# Altium PCB PCB1.PcbDoc (continued)
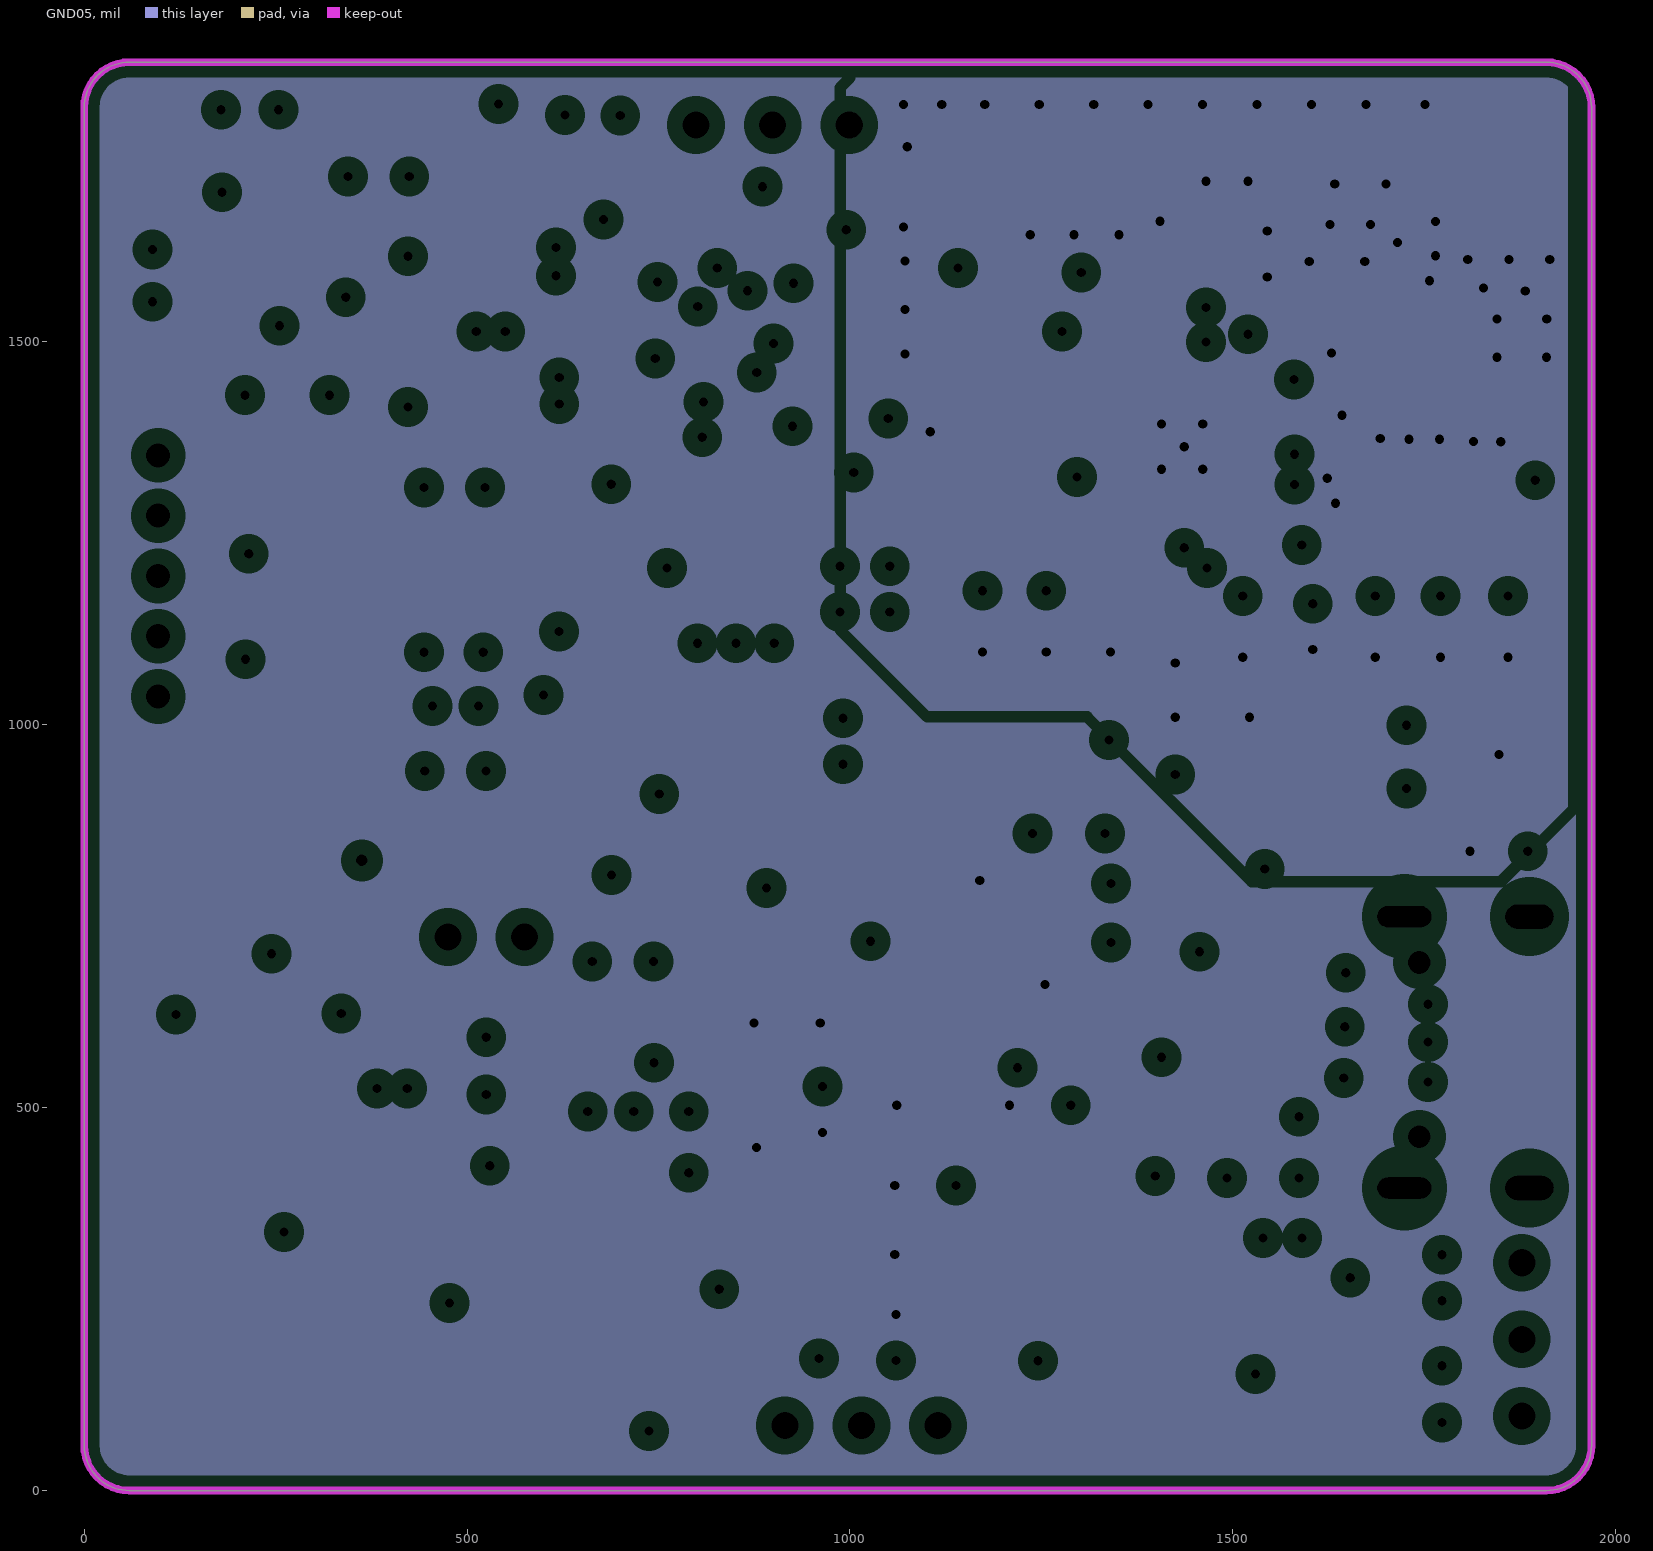
[diagram p5: GND05, clearances drawn from the general rule]
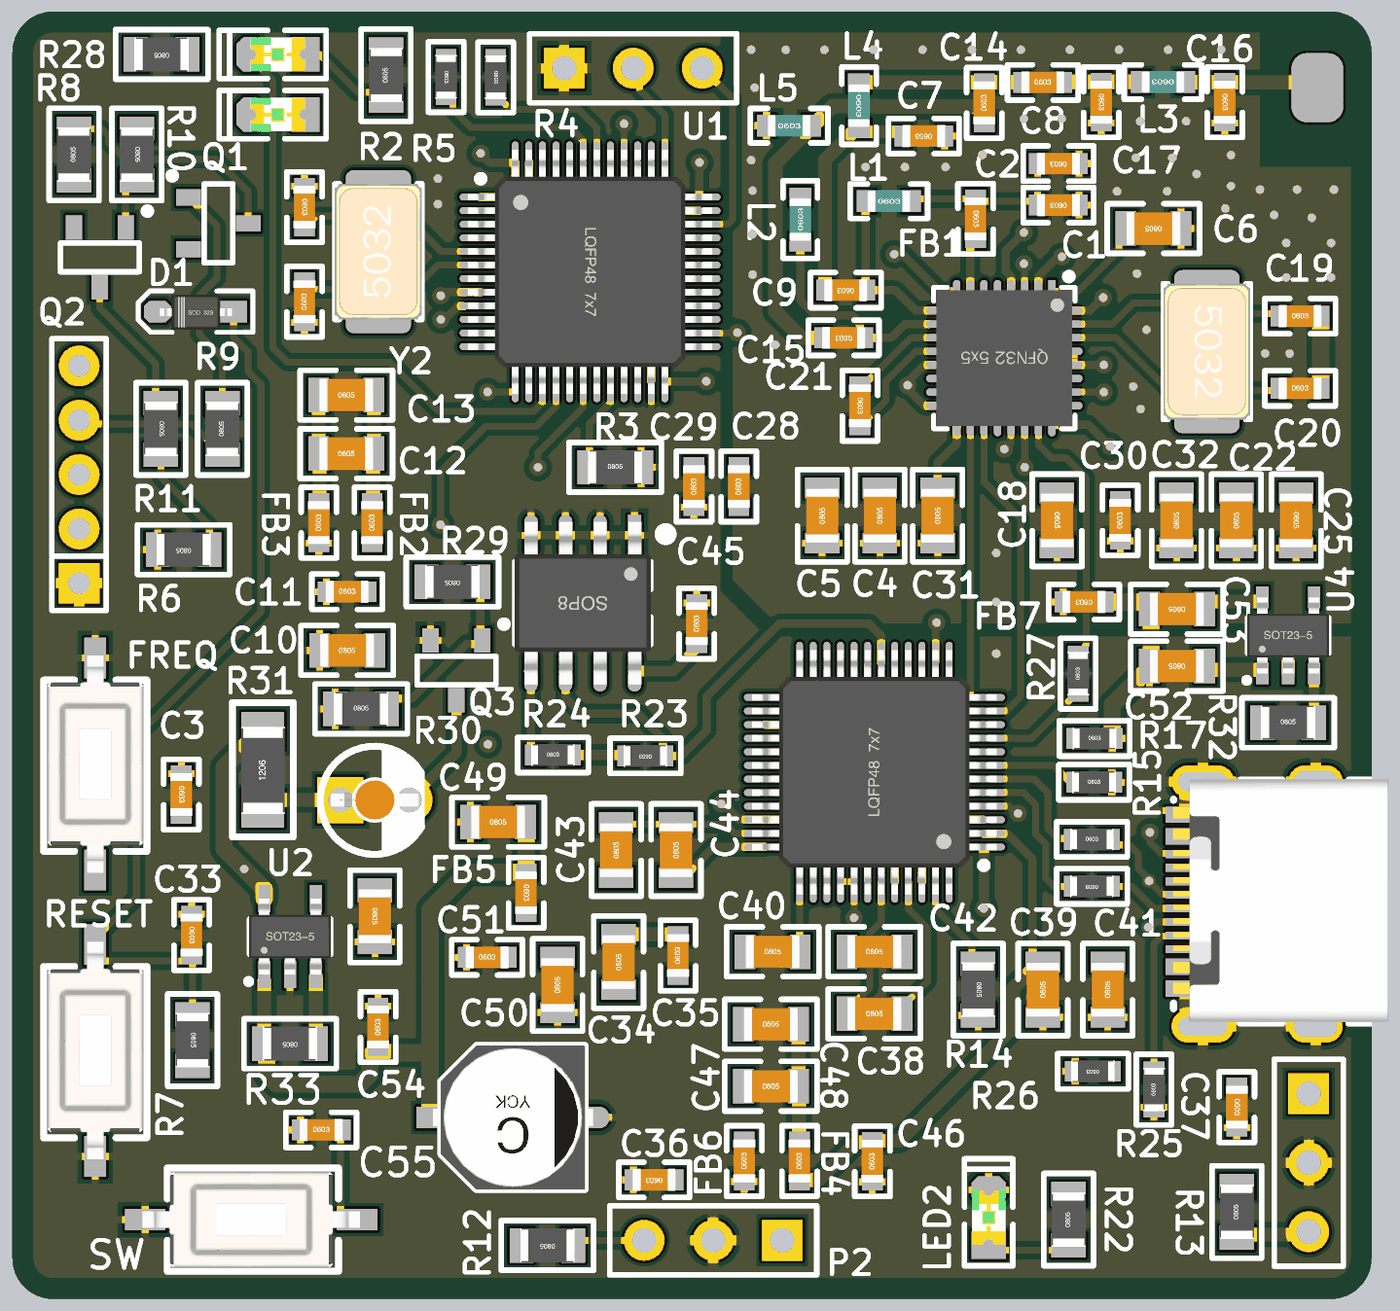
[diagram p6: 3D render of the assembled board from above, using the file's embedded part models]

## Layer stack, top to bottom
Top Solder: solder mask 0.4, Solder Resist, Dk 3.5
Top Layer: signal copper 1.4
Dielectric 2: prepreg 3.8, PP-013, Dk 4.3
GND02: plane copper 0.7087, net GND
Dielectric 4: core 21, Core-037, Dk 4.8
SIG03: signal copper 0.7087
Dielectric 1: prepreg 4.2, PP-014, Dk 4.2
PWR04: plane copper 0.7087, net (Multiple Nets)
Dielectric 3: core 21, Core-037, Dk 4.8
GND05: plane copper 0.7087, net (Multiple Nets)
Dielectric 5: prepreg 3.8, PP-013, Dk 4.3
Bottom Layer: signal copper 1.4
Bottom Solder: solder mask 0.4, Solder Resist, Dk 3.5

## Board outline
0,59.06 0,1806.34 cw(c59.06,1806.34) 59.06,1865.39 1909.45,1865.39 cw(c1909.45,1806.34) 1968.5,1806.34 1968.5,59.06 cw(c1909.45,59.06) 1909.45,0 59.06,0 cw(c59.06,59.06)

## Design rules (kind name [scope] priority, off if disabled: settings)
Clearance Clearance_1 [OnLayer('Keep-Out Layer') vs InPolygon] p1: gap=25 ignorepadtopadclearanceinfootprint=FALSE
Clearance [All] p2: gap=8 ignorepadtopadclearanceinfootprint=TRUE
PlaneClearance [All] p1: clearance=20
PlaneConnect [All] p1: pad.planeconnectstyle=Relief pad.reliefexpansion=20 pad.reliefentries=4 pad.reliefconductorwidth=15 pad.reliefairgap=10 via.planeconnectstyle=Direct via.reliefexpansion=20 via.reliefentries=4 via.reliefconductorwidth=10 via.reliefairgap=10
PolygonConnect [All] p1: thpad.connectstyle=Relief thpad.reliefconductorwidth=15 thpad.reliefentries=4 thpad.polygonreliefangle="90 Angle" thpad.airgapwidth=10 smdpad.connectstyle=Relief smdpad.reliefconductorwidth=10 smdpad.reliefentries=4 smdpad.polygonreliefangle="90 Angle" smdpad.airgapwidth=10 via.connectstyle=Direct via.reliefconductorwidth=10 via.reliefentries=4 via.polygonreliefangle="90 Angle" via.airgapwidth=10
RoutingVias [All] p1: holewidth=12 width=25 viastyle="Through Hole" minholewidth=12 minwidth=20 maxholewidth=25 maxwidth=35
SilkToSilkClearance [All] p1: silktosilkclearance=2
SilkToSolderMaskClearance [IsPad] p1: minsilkscreentomaskgap=2 clearancetoexposedcopper=TRUE
SolderMaskExpansion [All] p1: expansion=4 istentingtop=FALSE
Width PWR [InNetClass('PWR')] p1: maxlimit=50 minlimit=10 preferedwidth=20 toplayer_prefwidth=15 midlayer1_minwidth=15 bottomlayer_prefwidth=15 minimp=50.000000 maximp=50.000000 favimp=50.000000
Width [All] p2: maxlimit=30 minlimit=8 preferedwidth=15 toplayer_prefwidth=10 midlayer1_minwidth=12 bottomlayer_prefwidth=10 minimp=50.000000 maximp=50.000000 favimp=50.000000
26 further rules are at their usual default settings.

## Classes and differential pairs
net class PWR: 3V3 +3.3V +3.3VA GND GNDA GNDRF RF3V3 USB_5V VBUS VDDA VSSA

## Components (designator, comment, footprint, x,y, rotation, side; value= is the part's Value field where it differs from the comment)
ANT1 "" ANT 1874.19,1725.61 r90 top
BK1 "BK9535" "QFN32 5X5_N" 1436.65,1363.21 r180 top
C1 "Cap" "C 0603_L" 1515,1585 r180 top value=100pF
C2 "Cap" "C 0603_L" 1515,1645 r180 top value=1μF
C3 "Cap" "C 0603_L" 244.65,730.96 r270 top value=0.1μF
C4 "Cap" "C 0805_L"#1 1256.37,1135 r90 top value=1nF
C5 "Cap" "C 0805_L"#1 1173,1135 r90 top value=4.7μF
C6 "Cap" "C 0805_L"#1 1652.6,1550.95 r180 top value=4.7μF
C7 "Cap" "C 0603_L" 1320,1685 r180 top value=1.8pF
C8 "Cap" "C 0603_L" 1492.41,1762.64 r0 top value=100pF
C9 "Cap" "C 0603_L" 1207,1461.67 r180 top value=100pF
C10 "Cap" "C 0805_L"#1 484.88,939.74 r0 top value=10μF
C11 "Cap" "C 0603_L" 484.88,1024.74 r0 top value=0.1μF
C12 "Cap" "C 0805_L"#1 483.66,1224.74 r0 top value=1μF
C13 "Cap" "C 0805_L"#1 483.66,1309.74 r0 top value=10nF
C14 "Cap" "C 0603_L" 1407.62,1733 r90 top value=1.8pF
C15 "Cap" "C 0603_L" 1204,1392.74 r180 top value=100pF
C16 "Cap" "C 0603_L" 1755.88,1734 r270 top value=10pF
C17 "Cap" "C 0603_L" 1577,1734 r270 top value=10pF
C18 "Cap" "C 0805_L"#1 1513,1128.21 r270 top value=330pF
C19 "Cap" "C 0603_L" 1865,1424 r0 top value=22pF
C20 "Cap" "C 0603_L" 1865,1319.48 r0 top value=22pF
C21 "Cap" "C 0603_L" 1227.5,1294.29 r270 top value=1μF
C22 "Cap" "C 0805_L"#1 1772.66,1128.21 r90 top value=2.2μF
C23 "Cap Pol1" "CM C(5*5.4)" 725,262.99 r180 top value=100μF
C24 "Cap" "C 0805_L"#2 525,554.57 r270 top value=10μF
C25 "Cap" "C 0805_L"#1 1859.33,1128.21 r270 top value=4.7μF
C26 "Cap" "C 0603_L" 423,1582 r270 top value=22pF
C27 "Cap" "C 0603_L" 423,1445 r90 top value=22pF
C28 "Cap" "C 0603_L" 1052.11,1177.21 r90 top value=10pF
C29 "Cap" "C 0603_L" 987.11,1177.21 r90 top value=10pF
C30 "Cap" "C 0603_L" 1604.46,1128.21 r90 top value=0.1μF
C31 "Cap" "C 0805_L"#1 1340.17,1135 r90 top value=1μF
C32 "Cap" "C 0805_L"#1 1686.06,1128.21 r90 top value=1μF
C33 "Cap" "C 0603_L" 259.6,527.32 r270 top value=0.1μF
C34 "Cap" "C 0805_L"#1 878.1,488.21 r90 top value=4.7μF
C35 "Cap" "C 0603_L" 964.03,497.71 r90 top value=0.1μF
C36 "Cap" "C 0603_L" 929.49,172.65 r180 top value=0.1μF
C37 "Cap" "C 0603_L" 1773.4,278 r270 top value=0.1μF
C38 "Cap" "C 0805_L"#1 1248.5,413.21 r0 top value=1μF
C39 "Cap" "C 0805_L"#1 1492.54,448.21 r90 top value=4.7μF
C40 "Cap" "C 0805_L"#1 1101.14,503.21 r0 top value=4.7μF
C41 "Cap" "C 0805_L"#1 1586.34,448.21 r90 top value=4.7μF
C42 "Cap" "C 0805_L"#1 1248.5,503.21 r0 top value=4.7μF
C43 "Cap" "C 0805_L"#1 874.64,650.41 r90 top value=4.7μF
C44 "Cap" "C 0805_L"#1 961.25,650.41 r90 top value=10nF
C45 "Cap" "C 0603_L" 991.12,978.62 r90 top value=0.1μF
C46 "Cap" "C 0603_L" 1245.5,199.62 r90 top value=0.1μF
C47 "Cap" "C 0805_L"#1 1098.5,308.21 r0 top value=4.7μF
C48 "Cap" "C 0805_L"#1 1098.5,398.21 r0 top value=10nF
C49 "Cap" "C 0805_L"#1 703.5,691.05 r0 top value=4.7μF
C50 "Cap" "C 0805_L"#1 789.56,455 r90 top value=10μF
C51 "Cap" "C 0603_L" 687.6,495 r0 top value=0.1μF
C52 "Cap" "C 0805_L"#1 1686.68,917.03 r180 top value=10μF
C53 "Cap" "C 0805_L"#1 1686.68,999.41 r180 top value=10μF
C54 "Cap" "C 0603_L" 529.61,394.1 r90 top value=0.1μF
C55 "Cap" "C 0603_L" 447.25,245 r0 top value=0.1μF
D1 "1N4148" SOD-323 265.2,1430.53 r180 top
FB1 "Ferrite bead" "C 0603_L" 1395,1565 r270 top value=1K
FB2 "Ferrite bead" "C 0603_L" 521.06,1124.9 r90 top value=600R
FB3 "Ferrite bead" "C 0603_L" 443.86,1124.9 r90 top value=600R
FB4 "Ferrite bead" "C 0603_L" 1140,200 r90 top value=33Ω
FB5 "Ferrite bead" "C 0603_L" 744.03,588.64 r270 top value=33Ω
FB6 "Ferrite bead" "C 0603_L" 1060,200 r90 top value=33Ω
FB7 "Ferrite bead" "C 0603_L" 1552,1010 r180 top value=600R
IC1 "24Cxx" SOP8_L 826.1,1008.21 r270 top
JP1 "HDR-1X5" HDR2.0-LI-5P 96.65,1194.47 r90 top
L1 "L" "L 0603" 1269.5,1590.59 r0 top value=12nH
L2 "L" "L 0603" 1141.18,1563.96 r90 top value=12nH
L3 "L" "L 0603" 1666.5,1763.23 r180 top value=5.6nH
L4 "L" "L 0603" 1226.14,1729 r270 top value=27nH
L5 "L" "L 0603" 1125,1700 r0 top value=27nH
LED1 "红色" "LED 0805R" 384.58,1803.21 r180 top
LED2 "蓝色" "LED 0805B" 1414.02,118.07 r90 top
LED3 "绿色" "LED 0805G" 384.58,1716.11 r180 top
LED4 "红外" "LED 3MM-R" 525,723.02 r0 top
P1 "Header 3" HDR1X3 799.13,1783.27 r0 top
P2 "Header 3" HDR1X3 1115,85 r180 top
P3 "Header 3" HDR1X3 1877.5,297.5 r270 top
Q1 "SS8050" SOT-23-3L 294.37,1558.48 r0 top
Q2 "SS8550" SOT-23-3L 126.65,1513.21 r270 top
Q3 "AO3400" SOT-23-3L 643.05,914.81 r270 top
R2 "Resistor" "R 0805_L" 541.24,1773.21 r90 top value=1K
R3 "Resistor" "R 0805_L" 873,1205 r0 top value=10K
R4 "Resistor" "R 0603_L" 700,1770 r270 top value=4.7K
R5 "Resistor" "R 0603_L" 628.11,1770.62 r270 top value=4.7K
R6 "Resistor" "R 0805_L" 248,1085.7 r180 top value=10K
R7 "Resistor" "R 0805_L" 260.88,375 r270 top value=10K
R8 "Resistor" "R 0805_L" 89.25,1658.21 r90 top value=10K
R9 "Resistor" "R 0805_L" 304.16,1260.74 r90 top value=1K
R10 "Resistor" "R 0805_L" 180.2,1658.21 r270 top value=1K
R11 "Resistor" "R 0805_L" 215,1260.74 r270 top value=1K
R12 "Resistor" "R 0805_L" 775,77.7 r180 top value=10K
R13 "Resistor" "R 0805_L" 1773.39,126.19 r90 top value=10K
R14 "Resistor" "R 0805_L" 1398.75,448.21 r270 top value=1K
R15 "Resistor" "R 0603_L" 1566.66,748.64 r0 top value=0Ω
R17 "Resistor" "R 0603_L" 1567.34,812.19 r0 top value=0Ω
R20 "Resistor" "R 0603_L" 1563.5,597.93 r180 top value=22Ω
R21 "Resistor" "R 0603_L" 1563.5,665.85 r0 top value=22Ω
R22 "Resistor" "R 0805_L" 1529.76,115 r90 top value=1K
R23 "Resistor" "R 0603_L" 916.75,786.87 r180 top value=4.7K
R24 "Resistor" "R 0603_L" 782.91,788.22 r0 top value=4.7K
R25 "Resistor" "R 0603_L" 1653.39,303.49 r90 top value=5.1K
R26 "Resistor" "R 0603_L" 1565,330 r180 top value=5.1K
R27 "Resistor" "R 0603_L" 1543.63,906.05 r90 top value=0Ω
R28 "Resistor" "R 0805_L" 216.19,1803.21 r180 top value=2K
R29 "Resistor" "R 0805_L" 637.38,1039.03 r180 top value=100Ω
R30 "Resistor" "R 0805_L" 505,854.91 r0 top value=10K
R31 "Resistor" "R 1206_L" 362.72,765.86 r90 top value=15Ω
R32 "Resistor" "R 0805_L" 1847.72,834.98 r0 top value=100K
R33 "Resistor" "R 0805_L" 402.15,370 r180 top value=10K
SW "3x6x5" "TSW SMD-3*6*2.5" 345.92,115 r180 top (schematic designator SW3)
SW1 "3x6x5" "TSW SMD-3*6*2.5" 120,775.14 r90 top
SW2 "3x6x5" "TSW SMD-3*6*2.5" 120,360 r90 top
U1 "STM32L051C8T6" LQFP48_L 836.65,1488.21 r0 top
U2 "RT9013" SOT23-5L#1 402.15,525 r0 top
U3 "SSS1700" LQFP48_L 1248.5,763.21 r180 top
U4 "RT9013" SOT23-5L#2 1847.72,961.37 r0 top
USBC1 "TYPE-C 2.0 -16P" USB-C-SMD_TYPE-C-USB-5 1790,572.35 r90 top
Y1 "24.576M" "OSC 5032-2P" 1730,1372.64 r270 top
Y2 "8MHz ±20ppm 20pF" "OSC 5032-2P" 530,1517.52 r90 top

## Footprints (in the part's own frame and the unit in brackets; to place one, negate y for a bottom-side part, rotate by r counter-clockwise, add the part's x,y. Pads: shape width x height; smd on the part's side, far side on the other; paste and mask are expansions set on the pad)
ANT [mil]
  rrect60% 100x75 smd: 1(29.39,-15.81)
"C 0603_L" [mil] "无极性贴片电容                                       淘宝ID:黄晶宝石"
  rect 25x30 smd: 1(-30,0) 2(30,0)
  silkscreen extent -51,-26 51,26, body extent -31,-16 31,16, height 32
"C 0805_L"#1 [mil] "无极性贴片电容                                        淘宝ID:黄晶宝石"
  rect 30x50 smd: 1(-40,0) 2(40,0)
  silkscreen extent -67,-36 67,36, body extent -39,-24 39,24, height 20
"C 0805_L"#2 [mil] "无极性贴片电容                                        淘宝ID:黄晶宝石"
  rect 35x50 smd: 1(-37.4,0) 2(37.4,0)
  silkscreen extent -67,-36 67,36, body extent -39,-24 39,24, height 20
"CM C(5*5.4)" [mm] "贴片电解电容，直径5mm，高5.4mm            淘宝ID:黄晶宝石"
  rect 1.8x0.8 smd: 1(2.65,0)
  oval 1.8x0.8 smd: 2(-2.65,0)
  silkscreen extent -2.65,-2.65 2.65,2.65, body extent -2.95,-2.65 2.95,2.65, height 5.4
HDR1X3 [mm] "Connector; Header; 3 Position"
  rect 1.5x1.5 hole 0.9: 1(0,0)
  round 1.5 hole 0.9: 2(2.54,0) 3(5.08,0)
  silkscreen extent -1.27,-1.27 6.35,1.27
HDR2.0-LI-5P [mm] "直插，脚距：2.0mm"
  rect 1.5x1.5 hole 0.8: 1(-4,0)
  round 1.5 hole 0.8: 2(-2,0) 3(0,0) 4(2,0) 5(4,0)
  silkscreen extent -5,-1 5,1
"L 0603" [mm] "小功率贴片电感        淘宝ID:黄晶宝石"
  rect 0.7x0.8 smd: 1(-0.83,0) 2(0.83,0)
  silkscreen extent -1.43,-0.64 1.43,0.64, body extent -0.8,-0.4 0.8,0.4, height 0.8
"LED 3MM-R" [mm] "红色3mm直插LED                                   淘宝ID:黄晶宝石"
  rect 1.7x1.7 hole 0.9: 1(-1.27,0)
  round 1.7 hole 0.9: 2(1.27,0)
  silkscreen extent -2.01,-2 1.72,1.98, body extent -1.95,-1.95 1.64,1.95, height 5.55
"LED 0805B" [mil] "蓝色0805LED                                    淘宝ID:黄晶宝石"
  rect 40x50 smd: 1(-40,0)
  oct 40x50 smd: 2(40,0)
  silkscreen extent -70,-35 85,35, body extent -39,-25 39,25, height 32
"LED 0805G" [mil] "绿色0805LED                              淘宝ID:黄晶宝石"
  rect 40x50 smd: 1(-40,0)
  oct 40x50 smd: 2(40,0)
  silkscreen extent -70,-35 85,35, body extent -39,-25 39,25, height 32
"LED 0805R" [mil] "红色0805LED                                       淘宝ID:黄晶宝石"
  rect 40x50 smd: 1(-40,0)
  oct 40x50 smd: 2(40,0)
  silkscreen extent -70,-35 85,35, body extent -39,-25 39,25, height 32
LQFP48_L [mm] "封装库来自淘宝 ID：黄晶宝石 Thin QFP, 48-Leads, Body 7x7mm, Pitch 0.5mm, IPC High Density"
  oval 1.55x0.25 smd: 1(-4.025,2.75) 2(-4.025,2.25) 3(-4.025,1.75) 4(-4.025,1.25) 5(-4.025,0.75) 6(-4.025,0.25) 7(-4.025,-0.25) 8(-4.025,-0.75) 9(-4.025,-1.25) 10(-4.025,-1.75) 11(-4.025,-2.25) 12(-4.025,-2.75) 25(4.025,-2.75) 26(4.025,-2.25) 27(4.025,-1.75) 28(4.025,-1.25) 29(4.025,-0.75) 30(4.025,-0.25) 31(4.025,0.25) 32(4.025,0.75) 33(4.025,1.25) 34(4.025,1.75) 35(4.025,2.25) 36(4.025,2.75)
  oval 0.25x1.55 smd: 13(-2.75,-4.025) 14(-2.25,-4.025) 15(-1.75,-4.025) 16(-1.25,-4.025) 17(-0.75,-4.025) 18(-0.25,-4.025) 19(0.25,-4.025) 20(0.75,-4.025) 21(1.25,-4.025) 22(1.75,-4.025) 23(2.25,-4.025) 24(2.75,-4.025) 37(2.75,4.025) 38(2.25,4.025) 39(1.75,4.025) 40(1.25,4.025) 41(0.75,4.025) 42(0.25,4.025) 43(-0.25,4.025) 44(-0.75,4.025) 45(-1.25,4.025) 46(-1.75,4.025) 47(-2.25,4.025) 48(-2.75,4.025)
  silkscreen extent -4.15,-2.85 2.85,3.55, body extent -4.5,-4.5 4.5,4.5, height 1.45
"OSC 5032-2P" [mm] "5mm*3.2mm*0.8mm(长*宽*高)                  淘宝ID:黄晶宝石"
  rrect30% 2x2.4 smd: 1(-2,0) 2(2,0)
  silkscreen extent -2.5,-1.6 2.5,1.6, body extent -2.5,-1.6 2.5,1.6, height 0.86
"QFN32 5X5_N" [mm] "32脚，长x宽x高：5x5x0.95mm，脚距：0.5mm"
  rect 0.275x0.85 smd: 1(-1.751,-2.451)
  oval 0.275x0.85 smd: 2(-1.25,-2.451) 3(-0.75,-2.451) 4(-0.25,-2.451) 5(0.25,-2.451) 6(0.75,-2.451) 7(1.25,-2.451) 8(1.75,-2.451) 17(1.75,2.451) 18(1.25,2.451) 19(0.75,2.451) 20(0.25,2.451) 21(-0.25,2.451) 22(-0.75,2.451) 23(-1.25,2.451) 24(-1.75,2.451)
  oval 0.85x0.275 smd: 9(2.451,-1.75) 10(2.451,-1.25) 11(2.451,-0.75) 12(2.451,-0.25) 13(2.451,0.25) 14(2.451,0.75) 15(2.451,1.25) 16(2.451,1.75) 25(-2.451,1.75) 26(-2.451,1.25) 27(-2.451,0.75) 28(-2.451,0.25) 29(-2.451,-0.25) 30(-2.451,-0.75) 31(-2.451,-1.25) 32(-2.451,-1.75)
  round 0.025 smd: 33(0,0)
  Top Layer region: -1.22,-1.65 -1.65,-1.22 -1.65,1.65 1.65,1.65 1.65,-1.65
  silkscreen extent -2.6,-3.12 2.6,2.6, body extent -2.5,-2.5 2.5,2.5, height 0.93
"R 0603_L" [mil] "1/10W贴片电阻                 淘宝ID:黄晶宝石"
  rect 30x30 smd: 1(-25.59,0) 2(25.59,0)
  silkscreen extent -51,-26 51,26, body extent -31,-16 32,16, height 16
"R 0805_L" [mil] "1/8W贴片电阻"
  rect 35x50 smd: 1(-37.4,0) 2(37.4,0)
  silkscreen extent -67,-36 67,36, body extent -39,-25 39,25, height 20
"R 1206_L" [mil] "1/4W贴片电阻"
  rect 55x62 smd: 1(-55.12,0) 2(57.09,0)
  silkscreen extent -96,-44 98,44, body extent -63,-31 63,32, height 22
SOD-323 [mm] "1.8x1.3X0.9mm（长宽高，不包括引脚）"
  rect 1x0.8 smd: 1(-1.4,0)
  oct 1x0.8 smd: 2(1.4,0)
  silkscreen extent -2.11,-0.76 2.11,0.76, body extent -1.34,-0.63 1.31,0.67, height 1
SOP8_L [mm] "5*6*1.8mm（长宽高）封装库来自淘宝卖家 ID：黄晶宝石"
  rect 1.5x0.5 smd: 1(-2.5,1.905)
  oval 1.5x0.5 smd: 2(-2.5,0.635) 3(-2.5,-0.635) 4(-2.5,-1.905) 5(2.5,-1.905) 6(2.5,-0.635) 7(2.5,0.635) 8(2.5,1.905)
  silkscreen extent -2.69,-2.5 1.52,3.2, body extent -3,-2.5 3,2.5, height 1.9
SOT23-5L#1 [mm] "3x1.6x1.1mm(长宽高) 封装库来自淘宝卖家 ID：黄晶宝石"
  rect 0.45x1 smd: 1(-0.95,-1.4) 2(0,-1.4) 3(0.95,-1.4) 4(0.95,1.4) 5(-0.95,1.4)
  silkscreen extent -1.6,-1.73 1.5,0.66, body extent -1.5,-1.4 1.5,1.4, height 1.15
SOT23-5L#2 [mm] "3x1.6x1.1mm(长宽高) 封装库来自淘宝卖家 ID：黄晶宝石"
  rect 0.45x0.8 smd: 1(-0.95,-1.4) 2(0,-1.4) 3(0.95,-1.4) 4(0.95,1.4) 5(-0.95,1.4)
  silkscreen extent -1.6,-1.73 1.5,0.66, body extent -1.5,-1.4 1.5,1.4, height 1.15
SOT-23-3L [mm]
  rect 0.9x0.6 smd: 1(-1,0.95) 2(-1,-0.95) 3(1.2,0)
  silkscreen extent -1.72,-1.45 0.64,1.87, body extent -1.16,-1.5 1.34,1.5, height 1.09
"TSW SMD-3*6*2.5" [mm] "3*6*2.5mm"
  rect 1.5x0.8 smd: 1(-3.9,0) 2(3.9,0)
  silkscreen extent -3.21,-1.9 3.09,1.9, body extent -4,-1.75 4,1.75, height 2.59
USB-C-SMD_TYPE-C-USB-5 [mm]
  oval 1.2x2 hole 0.8 slot 1.6 at 90 deg: 0(-4.5,-2.475) 0(4.5,-2.475)
  oval 1.2x2.3 hole 0.7 slot 1.8 at 90 deg: 0(-4.5,1.675) 0(4.5,1.675)
  rect 0.3x1.15 smd: A1(-3.263,2.473) A4(-2.462,2.471) A5(-1.162,2.475) A6(-0.162,2.475) A7(0.337,2.473) A9(2.638,2.475) A12(3.438,2.475) B1(3.138,2.475) B4(2.337,2.475) B5(1.838,2.475) B6(0.838,2.475) B7(-0.663,2.473) B9(-2.162,2.471) B12(-2.963,2.473)
  rect 0.3x1.148 smd: A8(-1.663,2.475) B8(1.337,2.475)
  round 0.75 hole 0.75 unplated: ""(-2.803,1.175) ""(2.978,1.175)
  silkscreen extent -4.38,-5.08 4.56,2.75, body extent -4.34,-5.14 4.6,2.76, height 3.25

## Part data
ANT1: library part ANT1, "PCB板载天线", BOM名称=PCB板载天线, 学习资源=www.ooocke.com, 版权归属=源创客
BK1: library part BK9530
C1 C2 C3 C4 C5 C6 C7 C8 C9 C10 C11 C12 C13 C14 C15 C16 C17 C18 C19 C20 C21 C22 C24 C25 C26 C27 C28 C29 C30 C31 C32 C33 C34 C35 C36 C37 C38 C39 C40 C41 C42 C43 C44 C45 C46 C47 C48 C49 C50 C51 C52 C53 C54 C55: "Capacitor", LatestRevisionDate=17-Jul-2002, LatestRevisionNote="Re-released for DXP Platform.", PackageDescription="Radial Cap, Thru-Hole; 2 Leads; 0.3 in Pin Spacing", PackageReference=RAD-0.3, Published=8-Jun-2000, Publisher="Altium Limited"
C23: "Polarized Capacitor (Radial)", LatestRevisionDate=17-Jul-2002, LatestRevisionNote="Re-released for DXP Platform.", PackageReference=RB7.6-15, Published=8-Jun-2000, Publisher="Altium Limited"
D1: "开关二极管", BOM名称=高速开关二极管, 欢迎光临=https://shop463601444.taobao.com, 淘宝ID="封装库来自淘宝 ID：黄晶宝石"
FB1 FB2 FB3 FB4 FB5 FB6 FB7: "铁氧体磁珠"
IC1: "外置EEPROM", BOM名称=外置EEPROM, 唯一出售店铺网址=https://shop463601444.taobao.com, 版权归属="封装库来自淘宝 ID：黄晶宝石"
JP1: library part "Header 5", "5P接插件", BOM名称=5P接插件, 学习资源=https://shop463601444.taobao.com, 版权归属="封装库来自淘宝 ID：黄晶宝石"
L1 L2 L3 L4 L5: "小功率贴片电感", BOM名称=小功率贴片电感, 封装库来自淘宝卖家 ID：黄晶宝石=其他店铺购入均为盗版，不享受售后技术支持服务，请立即申请退款, 淘宝ID="封装库来自淘宝 ID：黄晶宝石", 联系售后=https://shop463601444.taobao.com
LED1 LED2 LED3 LED4: library part LED-SMD, "贴片LED", BOM名称=贴片LED, 学习资源=https://shop463601444.taobao.com, 版权归属="封装库来自淘宝 ID：黄晶宝石"
P1 P2 P3: "Header, 3-Pin", LatestRevisionDate=17-Jul-2002, LatestRevisionNote="Re-released for DXP Platform.", Publisher="Altium Limited"
Q1: library part 8050-SMD, "高频放大-NPN型", BOM名称=高频放大-NPN型, 属性="40V 1.5A 1W 100MHZ", 版权归属="封装库来自淘宝 ID：黄晶宝石", 联系售后=https://shop463601444.taobao.com
Q2: library part 8550-SMD, "高频放大-PNP型", BOM名称=高频放大-PNP型, 学习资源=www.ooocke.com, 属性="40V 1.5A 1W 100MHZ", 版权归属="封装库来自淘宝 ID：黄晶宝石"
Q3: library part NMOS-2, "N-Channel Power MOSFET", ComponentLink1Description="Manufacturer Link", ComponentLink1URL=http://www.irf.com/, DatasheetVersion=PD-9.814, LatestRevisionDate=17-Jul-2002, LatestRevisionNote="Re-released for DXP Platform.", Note="Pin 2 is electrically connected to pin 4.", PackageDescription="TO, Thru-Hole, Vertical, Heatsink Mounted; 3 In-Line Leads; Pitch 2.54 mm", PackageReference=TO-220AB, PackageVersion=Feb-1997, Published=8-Jun-2000, Publisher="Altium Limited"
SW SW1 SW2: library part "TSW 3x6", "3x6轻触开关", BOM名称=3x6轻触开关, 学习资源=https://shop463601444.taobao.com, 版权归属="封装库来自淘宝 ID：黄晶宝石"
U1: library part STM32F103C8T6, "ARM", Package=LQFP-48_7x7x05P, SuppliersPartNumber=C8734, ComponentLink1Description=供应商链接, ComponentLink1URL=http://www.szlcsc.com/product/details_9243.html, Supplier=LC
U2 U4: "LDO"
U3: "USB音频芯片"
USBC1: library part "USB2.0 Type-C 16Pin母座", "USB2.0 Type-C 母座 16Pin", BOM_Manufacturer=LCSC, BOM_Manufacturer Part=-, BOM_Supplier=LCSC, spicePre=U, spiceSymbolName="TYPE-C 3.1 -16P_C168689"
Y1: library part XTAL, "Crystal Oscillator", LatestRevisionDate=17-Jul-2002, LatestRevisionNote="Re-released for DXP Platform.", PackageDescription="Crystal, Thru-Hole; 2 Leads; Body 3.1 x 8.2 mm (Dia.xH)", PackageReference=R38, Published=8-Jun-2000, Publisher="Altium Limited"
Y2: library part "SMD-5032_2P 8MHz 20ppm 20pF", "贴片晶振", Package=SMD-5032_2P, SuppliersPartNumber=C115962, ComponentLink1Description=供应商链接, ComponentLink1URL=http://www.szlcsc.com/product/details_117214.html, Supplier=LC
R2 R3 R4 R5 R6 R7 R8 R9 R10 R11 R12 R13 R14 R15 R17 R20 R21 R22 R23 R24 R25 R26 R27 R28 R29 R30 R31 R32 R33: LatestRevisionDate=17-Jul-2002, LatestRevisionNote="Re-released for DXP Platform.", PackageReference=AXIAL-0.5, Published=8-Jun-2000, Publisher="Altium Limited"

## Via types
v1: diameter 25, hole 12, Top Layer to Bottom Layer, tented both sides, 213 vias
v2: diameter 20, hole 12, Top Layer to Bottom Layer, tented both sides, 11 vias
v3: diameter 30, hole 15, Top Layer to Bottom Layer, tented both sides, 1 vias
